# Altium PCB UmTRXv21.PcbDoc (part 16 of 19)
Units mm, origin at the board's own origin, x right, y up, seen from the top; angles counter-clockwise.
Board outline 159.5 x 99.5 mm, 6 copper layers (Top Layer, GND, MidLayer1, Mid-Layer 2, InternalPlane2, Bottom Layer), stack 1.526 mm thick; 716 components, 578 nets, 2850 pads, 1402 vias.
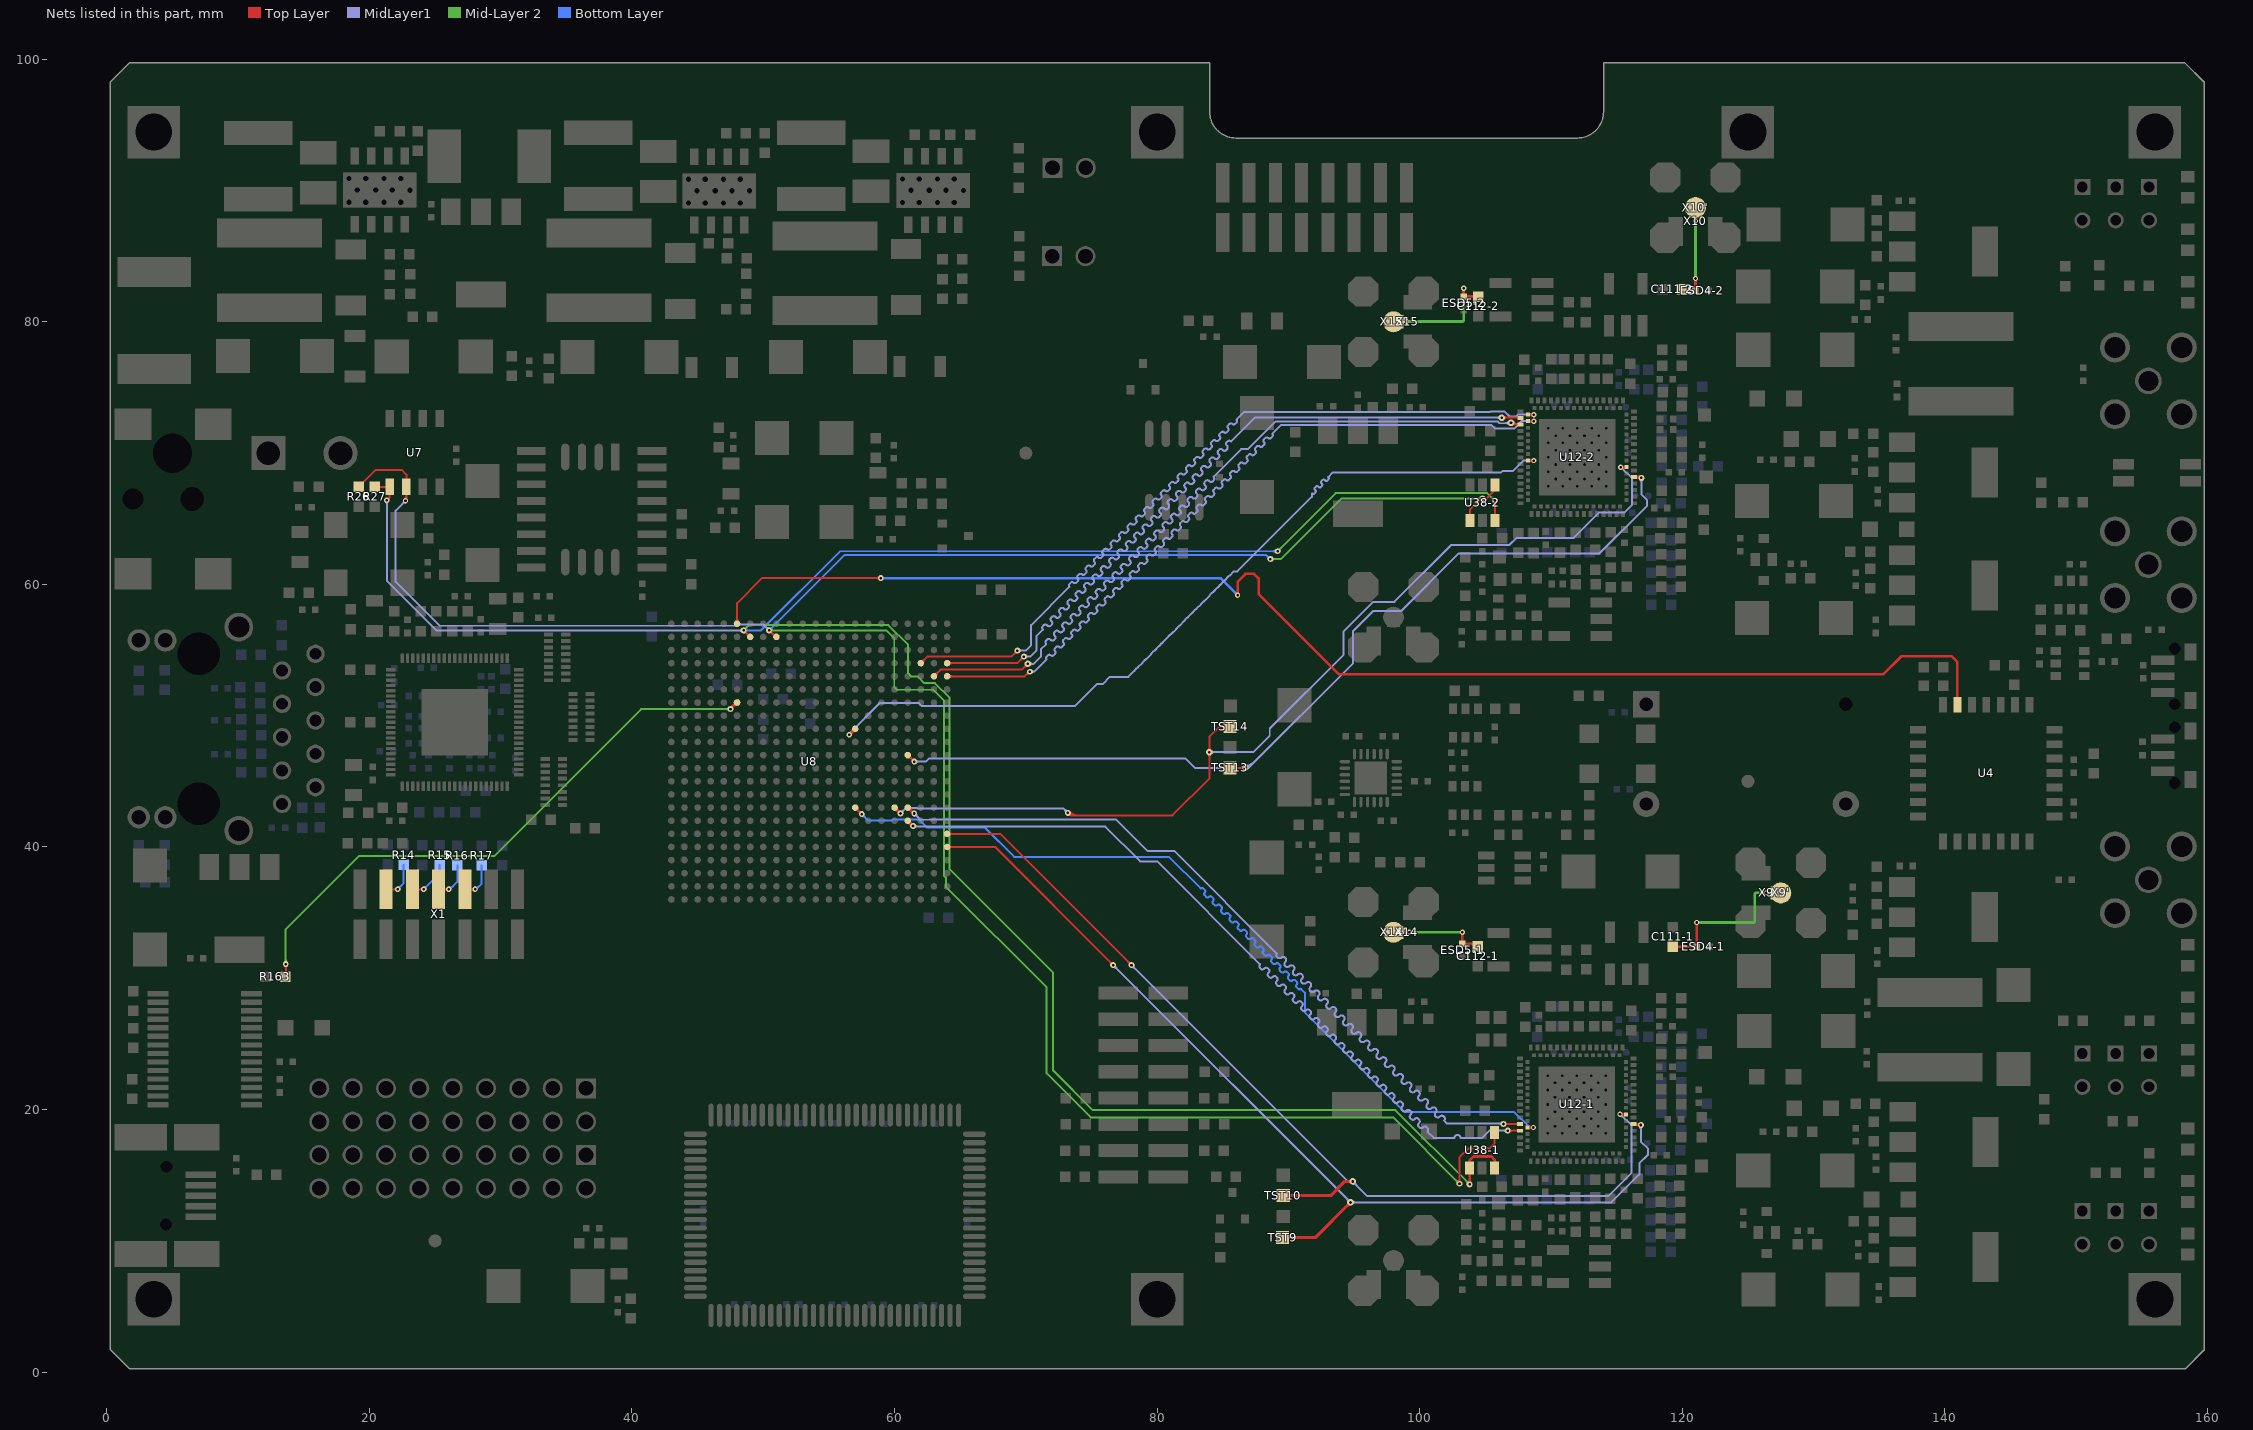
[diagram p20: the nets of this part, all layers, seen from the top]

## Via types
v1: diameter 0.45, hole 0.2, Top Layer to Bottom Layer, tented both sides, 440 vias
v2: diameter 0.5, hole 0.2, Top Layer to Bottom Layer, tented both sides, 423 vias
v3: diameter 0.7, hole 0.3, Top Layer to Bottom Layer, tented both sides, 257 vias
v4: diameter 0.4, hole 0.2, Top Layer to Bottom Layer, tented both sides, 197 vias
v5: diameter 0.8, hole 0.3, Top Layer to Bottom Layer, tented both sides, 63 vias
v6: diameter 0.6, hole 0.25, Top Layer to Bottom Layer, tented both sides, 16 vias
v7: diameter 0.6, hole 0.3, Top Layer to Bottom Layer, tented both sides, 4 vias
v8: diameter 1, hole 0.5, Top Layer to Bottom Layer, tented both sides, 2 vias

## Nets (pads, with @x,y where several pads share a name; then routed paths per layer and width w, separated by ;. In a path a pad name is that pad's centre, name@x,y a point inside that pad or via, vN(x,y) a via of type N, cw(c..) or ccw(c..) an arc to the next point about the centre after c; other vN are vias at no path point) (continued)
RX2D8: U8.V2 U12-2.5 | length 66.7
  Top Layer w0.15: U8.V2@63,53 63.5,53.5 69.7,53.5 v2(70.15,53.95) ; U8.V2@63,53.175 ccw(c63,53.597) 63.299,53.299 ccw(c63.597,53) U8.V2@63.175,53 ; v2@69.975,53.95 cw(c69.553,53.95) 69.851,53.651 cw(c70.15,53.353) v2@70.15,53.775 ; v2(106.95,72.3) 106.95,72.25 107.02,72.18 U12-2.5@107.671,72.18 ; v2@106.968,72.318 ccw(c107.3,72.65) 107.3,72.18 ; v2@107.074,72.424 ccw(c107.662,73.012) U12-2.5@107.662,72.18
  MidLayer1 w0.15: v2(70.15,53.95) 70.6,53.95 71.15,54.5 71.15,55.05 71.545,55.445 ccw(c71.531,55.459) 71.545,55.473 cw(c71.672,55.601) 71.545,55.728 71.609,55.791 cw(c71.736,55.664) 71.863,55.791 71.877,55.777 71.891,55.763 ccw(c72.019,55.89) 72.146,55.763 72.21,55.827 ccw(c72.082,55.954) 72.21,56.081 72.195,56.095 72.181,56.11 cw(c72.309,56.237) 72.181,56.364 72.245,56.428 cw(c72.372,56.301) 72.5,56.428 72.514,56.414 72.528,56.4 ccw(c72.655,56.527) 72.782,56.4 72.846,56.463 ccw(c72.719,56.59) 72.846,56.718 72.832,56.732 72.818,56.746 cw(c72.945,56.873) 72.818,57.001 72.881,57.064 cw(c73.009,56.937) 73.136,57.064 73.15,57.05 73.164,57.036 ccw(c73.292,57.163) 73.419,57.036 73.482,57.1 ccw(c73.355,57.227) 73.482,57.354 73.468,57.368 73.454,57.382 cw(c73.581,57.51) 73.454,57.637 73.518,57.701 cw(c73.645,57.573) 73.772,57.701 73.786,57.686 73.801,57.672 ccw(c73.928,57.8) 74.055,57.672 74.119,57.736 ccw(c73.992,57.863) 74.119,57.991 74.105,58.005 74.091,58.019 cw(c74.218,58.146) 74.091,58.273 74.154,58.337 cw(c74.281,58.21) 74.409,58.337 74.423,58.323 74.437,58.309 ccw(c74.564,58.436) 74.692,58.309 74.755,58.372 ccw(c74.628,58.5) 74.755,58.627 74.741,58.641 74.727,58.655 cw(c74.854,58.782) 74.727,58.91 74.791,58.973 cw(c74.918,58.846) 75.045,58.973 75.059,58.959 75.073,58.945 ccw(c75.201,59.072) 75.328,58.945 75.392,59.009 ccw(c75.264,59.136) 75.392,59.263 75.377,59.277 75.363,59.292 cw(c75.491,59.419) 75.363,59.546 75.427,59.61 cw(c75.554,59.483) 75.682,59.61 75.696,59.596 75.71,59.582 ccw(c75.837,59.709) 75.964,59.582 76.028,59.645 ccw(c75.901,59.772) 76.028,59.9 76.014,59.914 76,59.928 cw(c76.127,60.055) 76,60.183 76.063,60.246 cw(c76.191,60.119) 76.318,60.246 76.332,60.232 76.346,60.218 ccw(c76.473,60.345) 76.601,60.218 76.664,60.282 ccw(c76.537,60.409) 76.664,60.536 76.65,60.55 76.636,60.564 cw(c76.763,60.692) 76.636,60.819 76.7,60.883 cw(c76.827,60.755) 76.954,60.883 76.968,60.868 76.983,60.854 ccw(c77.11,60.982) 77.237,60.854 77.301,60.918 ccw(c77.174,61.045) 77.301,61.173 77.287,61.187 77.273,61.201 cw(c77.4,61.328) 77.273,61.455 77.336,61.519 cw(c77.463,61.392) 77.591,61.519 77.605,61.505 77.619,61.491 ccw(c77.746,61.618) 77.874,61.491 77.937,61.554 ccw(c77.81,61.682) 77.937,61.809 77.923,61.823 77.909,61.837 cw(c78.036,61.964) 77.909,62.092 77.973,62.155 cw(c78.1,62.028) 78.227,62.155 78.241,62.141 78.255,62.127 ccw(c78.383,62.254) 78.51,62.127 78.574,62.191 ccw(c78.446,62.318) 78.574,62.445 78.559,62.459 78.545,62.474 cw(c78.673,62.601) 78.545,62.728 78.609,62.792 cw(c78.736,62.665) 78.863,62.792 78.878,62.778 78.892,62.763 ccw(c79.019,62.891) 79.146,62.763 79.21,62.827 ccw(c79.083,62.954) 79.21,63.082 79.196,63.096 79.182,63.11 cw(c79.309,63.237) 79.182,63.365 79.245,63.428 cw(c79.373,63.301) 79.5,63.428 79.514,63.414 79.528,63.4 ccw(c79.655,63.527) 79.783,63.4 79.846,63.464 ccw(c79.719,63.591) 79.846,63.718 79.832,63.732 79.818,63.746 cw(c79.945,63.874) 79.818,64.001 79.882,64.065 cw(c80.009,63.937) 80.136,64.065 80.15,64.05 80.165,64.036 ccw(c80.292,64.164) 80.419,64.036 80.483,64.1 ccw(c80.355,64.227) 80.483,64.354 80.454,64.383 cw(c80.582,64.51) 80.454,64.637 80.518,64.701 cw(c80.645,64.574) 80.773,64.701 80.787,64.687 80.801,64.673 ccw(c80.928,64.8) 81.056,64.673 81.119,64.736 ccw(c80.992,64.864) 81.119,64.991 81.105,65.005 81.091,65.019 cw(c81.218,65.146) 81.091,65.274 81.155,65.337 cw(c81.282,65.21) 81.409,65.337 81.423,65.323 81.437,65.309 ccw(c81.565,65.436) 81.692,65.309 81.756,65.373 ccw(c81.628,65.5) 81.756,65.627 81.741,65.641 81.727,65.656 cw(c81.855,65.783) 81.727,65.91 81.791,65.974 cw(c81.918,65.846) 82.045,65.974 82.06,65.96 82.074,65.945 ccw(c82.201,66.073) 82.328,65.945 82.392,66.009 ccw(c82.265,66.136) 82.392,66.264 82.378,66.278 82.364,66.292 cw(c82.491,66.419) 82.364,66.547 82.427,66.61 cw(c82.555,66.483) 82.682,66.61 82.71,66.582 ccw(c82.837,66.709) 82.965,66.582 83.028,66.646 ccw(c82.901,66.773) 83.028,66.9 83.014,66.914 83,66.928 cw(c83.127,67.056) 83,67.183 83.064,67.247 cw(c83.191,67.119) 83.318,67.247 83.332,67.232 83.347,67.218 ccw(c83.474,67.346) 83.601,67.218 83.665,67.282 ccw(c83.537,67.409) 83.665,67.536 83.651,67.551 83.636,67.565 cw(c83.764,67.692) 83.636,67.819 83.7,67.883 cw(c83.827,67.756) 83.955,67.883 83.969,67.869 83.983,67.855 ccw(c84.11,67.982) 84.238,67.855 84.301,67.918 ccw(c84.174,68.046) 84.301,68.173 cw(c84.315,68.187) 84.301,68.201 86.4,70.3 86.9,70.3 89,72.4 105.949,72.4 106.074,72.275 106.925,72.275 v2(106.95,72.3) ; v2@70.274,53.826 cw(c70.572,53.528) 70.572,53.95 cw(c70.572,54.372) v2@70.274,54.074 ; 106.467,72.275 ccw(c106.467,72.783) v2@106.826,72.424 ; 106.588,72.275 cw(c106.588,71.938) v2@106.826,72.176
RX2D9: U8.V1 U12-2.4 | length 65.4
  Top Layer w0.15: U8.V1@64,53 69.9,53 70.3,53.4 v1(70.3,53.35) ; U8.V1@64.124,52.876 cw(c64.422,52.578) 64.422,53 cw(c64.422,53.422) U8.V1@64.124,53.124 ; 69.958,53.058 cw(c70.3,52.717) v1@70.3,53.2 ; 70.079,53.179 ccw(c69.909,53.35) v1@70.15,53.35
  Top Layer w0.2: U12-2.4@108.246,72.43 v4@108.671,72.43 ; v4@108.625,72.359 ccw(c108.455,72.188) 108.455,72.43 ccw(c108.455,72.671) v4@108.625,72.501
  MidLayer1 w0.15: v1(70.3,53.35) 70.65,53.35 ; v1@70.409,53.247 cw(c70.65,53.017) 70.65,53.35 ; v1@70.409,53.453 ccw(c70.65,53.683) 70.65,53.35 ; v4@108.608,72.341 ccw(c108.394,72.128) 108.394,72.43 ccw(c108.394,72.732) v4@108.608,72.518 ; v4(108.696,72.43) 107.752,72.43 107.185,71.863 105.751,71.863 105.464,72.15 89.45,72.15 88.767,71.467 cw(c88.661,71.361) 88.767,71.255 88.661,71.149 cw(c88.555,71.255) 88.449,71.149 ccw(c88.342,71.042) 88.236,71.149 88.13,71.042 ccw(c88.236,70.936) 88.13,70.83 cw(c88.024,70.724) 88.13,70.618 88.024,70.512 cw(c87.918,70.618) 87.812,70.512 ccw(c87.706,70.406) 87.6,70.512 87.494,70.406 ccw(c87.6,70.3) 87.494,70.194 cw(c87.388,70.088) 87.494,69.982 87.388,69.876 cw(c87.282,69.982) 87.176,69.876 ccw(c87.07,69.77) 86.964,69.876 86.858,69.77 ccw(c86.964,69.664) 86.858,69.558 cw(c86.752,69.452) 86.858,69.345 86.752,69.239 cw(c86.645,69.345) 86.539,69.239 ccw(c86.433,69.133) 86.327,69.239 86.221,69.133 ccw(c86.327,69.027) 86.221,68.921 cw(c86.115,68.815) 86.221,68.709 86.115,68.603 cw(c86.009,68.709) 85.903,68.603 ccw(c85.797,68.497) 85.691,68.603 85.585,68.497 ccw(c85.691,68.391) 85.585,68.285 cw(c85.479,68.179) 85.585,68.073 85.479,67.967 cw(c85.373,68.073) 85.267,67.967 ccw(c85.161,67.861) 85.054,67.967 84.948,67.861 ccw(c85.054,67.754) 84.948,67.648 cw(c84.842,67.542) 84.948,67.436 84.842,67.33 cw(c84.736,67.436) 84.63,67.33 ccw(c84.524,67.224) 84.418,67.33 84.312,67.224 ccw(c84.418,67.118) 84.312,67.012 cw(c84.206,66.906) 84.312,66.8 84.206,66.694 cw(c84.1,66.8) 83.994,66.694 ccw(c83.888,66.588) 83.782,66.694 83.676,66.588 ccw(c83.782,66.482) 83.676,66.376 cw(c83.57,66.27) 83.676,66.163 83.57,66.057 cw(c83.463,66.163) 83.357,66.057 ccw(c83.251,65.951) 83.145,66.057 83.039,65.951 ccw(c83.145,65.845) 83.039,65.739 cw(c82.933,65.633) 83.039,65.527 82.933,65.421 cw(c82.827,65.527) 82.721,65.421 ccw(c82.615,65.315) 82.509,65.421 82.403,65.315 ccw(c82.509,65.209) 82.403,65.103 cw(c82.297,64.997) 82.403,64.891 82.297,64.785 cw(c82.191,64.891) 82.085,64.785 ccw(c81.979,64.679) 81.872,64.785 81.766,64.679 ccw(c81.872,64.572) 81.766,64.466 cw(c81.66,64.36) 81.766,64.254 81.66,64.148 cw(c81.554,64.254) 81.448,64.148 ccw(c81.342,64.042) 81.236,64.148 81.13,64.042 ccw(c81.236,63.936) 81.13,63.83 cw(c81.024,63.724) 81.13,63.618 81.024,63.512 cw(c80.918,63.618) 80.812,63.512 ccw(c80.706,63.406) 80.6,63.512 80.494,63.406 ccw(c80.6,63.3) 80.494,63.194 cw(c80.388,63.088) 80.494,62.981 80.388,62.875 cw(c80.281,62.981) 80.175,62.875 ccw(c80.069,62.769) 79.963,62.875 79.857,62.769 ccw(c79.963,62.663) 79.857,62.557 cw(c79.751,62.451) 79.857,62.345 79.751,62.239 cw(c79.645,62.345) 79.539,62.239 ccw(c79.433,62.133) 79.327,62.239 79.221,62.133 ccw(c79.327,62.027) 79.221,61.921 cw(c79.115,61.815) 79.221,61.709 79.115,61.603 cw(c79.009,61.709) 78.903,61.603 ccw(c78.797,61.497) 78.691,61.603 78.584,61.497 ccw(c78.691,61.391) 78.584,61.284 cw(c78.478,61.178) 78.584,61.072 78.478,60.966 cw(c78.372,61.072) 78.266,60.966 ccw(c78.16,60.86) 78.054,60.966 77.948,60.86 ccw(c78.054,60.754) 77.948,60.648 cw(c77.842,60.542) 77.948,60.436 77.842,60.33 cw(c77.736,60.436) 77.63,60.33 ccw(c77.524,60.224) 77.418,60.33 77.312,60.224 ccw(c77.418,60.118) 77.312,60.012 cw(c77.206,59.906) 77.312,59.8 77.206,59.693 cw(c77.1,59.8) 76.993,59.693 ccw(c76.887,59.587) 76.781,59.693 76.675,59.587 ccw(c76.781,59.481) 76.675,59.375 cw(c76.569,59.269) 76.675,59.163 76.569,59.057 cw(c76.463,59.163) 76.357,59.057 ccw(c76.251,58.951) 76.145,59.057 76.039,58.951 ccw(c76.145,58.845) 76.039,58.739 cw(c75.933,58.633) 76.039,58.527 75.933,58.421 cw(c75.827,58.527) 75.721,58.421 ccw(c75.615,58.315) 75.509,58.421 75.402,58.315 ccw(c75.509,58.209) 75.402,58.102 cw(c75.296,57.996) 75.402,57.89 75.296,57.784 cw(c75.19,57.89) 75.084,57.784 ccw(c74.978,57.678) 74.872,57.784 74.766,57.678 ccw(c74.872,57.572) 74.766,57.466 cw(c74.66,57.36) 74.766,57.254 74.66,57.148 cw(c74.554,57.254) 74.448,57.148 ccw(c74.342,57.042) 74.236,57.148 74.13,57.042 ccw(c74.236,56.936) 74.13,56.83 cw(c74.024,56.724) 74.13,56.618 74.024,56.511 cw(c73.918,56.618) 73.811,56.511 ccw(c73.705,56.405) 73.599,56.511 73.493,56.405 ccw(c73.599,56.299) 73.493,56.193 cw(c73.387,56.087) 73.493,55.981 73.387,55.875 cw(c73.281,55.981) 73.175,55.875 ccw(c73.069,55.769) 72.963,55.875 72.857,55.769 ccw(c72.963,55.663) 72.857,55.557 cw(c72.751,55.451) 72.857,55.345 72.751,55.239 cw(c72.645,55.345) 72.539,55.239 ccw(c72.433,55.133) 72.327,55.239 72.22,55.133 ccw(c72.327,55.027) 72.22,54.92 cw(c72.114,54.814) 72.22,54.708 72.114,54.602 cw(c72.008,54.708) 71.902,54.602 ccw(c71.796,54.496) 71.69,54.602 71.584,54.496 ccw(c71.69,54.39) 71.584,54.284 70.65,53.35
RX2D10: U8.W1 U12-2.3 | length 66.2
  Top Layer w0.15: U8.W1@64,54 69.35,54 v1(69.85,54.5) ; U8.W1@64.124,53.876 cw(c64.422,53.578) 64.422,54 cw(c64.422,54.422) U8.W1@64.124,54.124 ; v1@69.7,54.5 cw(c69.338,54.5) 69.594,54.244 cw(c69.85,53.988) v1@69.85,54.35 ; v2(106.25,72.7) 106.749,72.7 106.774,72.725 107.626,72.725 U12-2.3@107.671,72.68 ; v2@106.374,72.576 cw(c106.672,72.278) 106.672,72.7 cw(c106.672,73.122) v2@106.374,72.824
  MidLayer1 w0.15: v1(69.85,54.5) 70.35,54.5 70.8,54.95 70.8,56.05 71.295,56.545 ccw(c71.281,56.559) 71.295,56.573 cw(c71.422,56.701) 71.295,56.828 71.359,56.891 cw(c71.486,56.764) 71.613,56.891 71.627,56.877 71.641,56.863 ccw(c71.769,56.99) 71.896,56.863 71.96,56.927 ccw(c71.832,57.054) 71.96,57.181 71.945,57.195 71.931,57.21 cw(c72.059,57.337) 71.931,57.464 71.995,57.528 cw(c72.122,57.401) 72.25,57.528 72.264,57.514 72.278,57.5 ccw(c72.405,57.627) 72.532,57.5 72.596,57.563 ccw(c72.469,57.69) 72.596,57.818 72.582,57.832 72.568,57.846 cw(c72.695,57.973) 72.568,58.101 72.631,58.164 cw(c72.759,58.037) 72.886,58.164 72.9,58.15 72.914,58.136 ccw(c73.042,58.263) 73.169,58.136 73.232,58.2 ccw(c73.105,58.327) 73.232,58.454 73.218,58.468 73.204,58.482 cw(c73.331,58.61) 73.204,58.737 73.268,58.801 cw(c73.395,58.673) 73.522,58.801 73.536,58.786 73.551,58.772 ccw(c73.678,58.9) 73.805,58.772 73.869,58.836 ccw(c73.742,58.963) 73.869,59.091 73.855,59.105 73.841,59.119 cw(c73.968,59.246) 73.841,59.373 73.904,59.437 cw(c74.031,59.31) 74.159,59.437 74.173,59.423 74.187,59.409 ccw(c74.314,59.536) 74.442,59.409 74.505,59.472 ccw(c74.378,59.6) 74.505,59.727 74.491,59.741 74.477,59.755 cw(c74.604,59.882) 74.477,60.01 74.541,60.073 cw(c74.668,59.946) 74.795,60.073 74.809,60.059 74.823,60.045 ccw(c74.951,60.172) 75.078,60.045 75.142,60.109 ccw(c75.014,60.236) 75.142,60.363 75.127,60.377 75.113,60.392 cw(c75.241,60.519) 75.113,60.646 75.177,60.71 cw(c75.304,60.583) 75.432,60.71 75.446,60.696 75.46,60.682 ccw(c75.587,60.809) 75.714,60.682 75.778,60.745 ccw(c75.651,60.872) 75.778,61 75.764,61.014 75.75,61.028 cw(c75.877,61.155) 75.75,61.283 75.813,61.346 cw(c75.941,61.219) 76.068,61.346 76.082,61.332 76.096,61.318 ccw(c76.223,61.445) 76.351,61.318 76.414,61.382 ccw(c76.287,61.509) 76.414,61.636 76.4,61.65 76.386,61.664 cw(c76.513,61.792) 76.386,61.919 76.45,61.983 cw(c76.577,61.855) 76.704,61.983 76.718,61.968 76.733,61.954 ccw(c76.86,62.082) 76.987,61.954 77.051,62.018 ccw(c76.924,62.145) 77.051,62.273 77.037,62.287 77.023,62.301 cw(c77.15,62.428) 77.023,62.555 77.086,62.619 cw(c77.213,62.492) 77.341,62.619 77.355,62.605 77.369,62.591 ccw(c77.496,62.718) 77.624,62.591 77.687,62.654 ccw(c77.56,62.782) 77.687,62.909 77.673,62.923 77.659,62.937 cw(c77.786,63.064) 77.659,63.192 ; v1@69.956,54.394 cw(c70.212,54.138) 70.212,54.5 cw(c70.212,54.862) v1@69.956,54.606 ; 77.659,63.192 77.723,63.255 cw(c77.85,63.128) 77.977,63.255 77.991,63.241 78.005,63.227 ccw(c78.133,63.354) 78.26,63.227 78.324,63.291 ccw(c78.196,63.418) 78.324,63.545 78.309,63.559 78.295,63.574 cw(c78.423,63.701) 78.295,63.828 78.359,63.892 cw(c78.486,63.765) 78.613,63.892 78.628,63.878 78.642,63.863 ccw(c78.769,63.991) 78.896,63.863 78.96,63.927 ccw(c78.833,64.054) 78.96,64.182 78.946,64.196 78.932,64.21 cw(c79.059,64.337) 78.932,64.465 78.995,64.528 cw(c79.123,64.401) 79.25,64.528 79.264,64.514 79.278,64.5 ccw(c79.405,64.627) 79.533,64.5 79.596,64.564 ccw(c79.469,64.691) 79.596,64.818 79.582,64.832 79.568,64.846 cw(c79.695,64.974) 79.568,65.101 79.632,65.165 cw(c79.759,65.037) 79.886,65.165 79.9,65.15 79.915,65.136 ccw(c80.042,65.264) 80.169,65.136 80.233,65.2 ccw(c80.105,65.327) 80.233,65.454 80.204,65.483 cw(c80.332,65.61) 80.204,65.737 80.268,65.801 cw(c80.395,65.674) 80.523,65.801 80.537,65.787 80.551,65.773 ccw(c80.678,65.9) 80.806,65.773 80.869,65.836 ccw(c80.742,65.964) 80.869,66.091 80.855,66.105 80.841,66.119 cw(c80.968,66.246) 80.841,66.374 80.905,66.437 cw(c81.032,66.31) 81.159,66.437 81.173,66.423 81.187,66.409 ccw(c81.315,66.536) 81.442,66.409 81.506,66.473 ccw(c81.378,66.6) 81.506,66.727 81.491,66.741 81.477,66.756 cw(c81.605,66.883) 81.477,67.01 81.541,67.074 cw(c81.668,66.946) 81.795,67.074 81.81,67.06 81.824,67.045 ccw(c81.951,67.173) 82.078,67.045 82.142,67.109 ccw(c82.015,67.236) 82.142,67.364 82.128,67.378 82.114,67.392 cw(c82.241,67.519) 82.114,67.647 82.177,67.71 cw(c82.305,67.583) 82.432,67.71 82.46,67.682 ccw(c82.587,67.809) 82.715,67.682 82.778,67.746 ccw(c82.651,67.873) 82.778,68 82.764,68.014 82.75,68.028 cw(c82.877,68.156) 82.75,68.283 82.814,68.347 cw(c82.941,68.219) 83.068,68.347 83.082,68.332 83.097,68.318 ccw(c83.224,68.446) 83.351,68.318 83.415,68.382 ccw(c83.287,68.509) 83.415,68.636 83.401,68.651 83.386,68.665 cw(c83.514,68.792) 83.386,68.919 83.45,68.983 cw(c83.577,68.856) 83.705,68.983 83.719,68.969 83.733,68.955 ccw(c83.86,69.082) 83.987,68.955 84.051,69.018 ccw(c83.924,69.146) 84.051,69.273 84.037,69.287 84.023,69.301 cw(c84.15,69.428) 84.023,69.556 84.086,69.619 cw(c84.214,69.492) 84.341,69.619 84.355,69.605 84.369,69.591 ccw(c84.497,69.718) 84.624,69.591 84.688,69.655 ccw(c84.56,69.782) 84.688,69.909 84.659,69.938 cw(c84.787,70.065) 84.659,70.192 84.723,70.256 cw(c84.85,70.128) 84.977,70.256 84.992,70.242 85.006,70.227 ccw(c85.133,70.355) 85.26,70.227 85.324,70.291 ccw(c85.197,70.418) 85.324,70.546 85.31,70.56 85.296,70.574 cw(c85.423,70.701) 85.296,70.828 85.359,70.892 cw(c85.487,70.765) 85.614,70.892 ccw(c85.628,70.906) 85.642,70.892 87.45,72.7 v2(106.25,72.7) ; v2@106.126,72.576 ccw(c105.828,72.278) 105.828,72.7 ccw(c105.828,73.122) v2@106.126,72.824
RX2D11: U8.W3 U12-2.2 | length 65.7
  Top Layer w0.15: U8.W3@62,54 62.5,54.5 68.9,54.5 v1(69.35,54.95) ; U8.W3@62,54.175 ccw(c62,54.597) 62.299,54.299 ccw(c62.597,54) U8.W3@62.175,54 ; v1@69.2,54.95 cw(c68.838,54.95) 69.094,54.694 cw(c69.35,54.438) v1@69.35,54.8
  Top Layer w0.2: U12-2.2@108.246,72.93 v4@108.671,72.93 ; v4@108.625,72.859 ccw(c108.455,72.688) 108.455,72.93 ccw(c108.455,73.171) v4@108.625,73.001
  MidLayer1 w0.15: v1(69.35,54.95) 70,54.95 70.4,55.35 70.4,56.9 73.313,59.813 cw(c73.419,59.919) 73.313,60.025 73.419,60.131 cw(c73.525,60.025) 73.631,60.131 ccw(c73.737,60.237) 73.843,60.131 73.949,60.237 ccw(c73.843,60.343) 73.949,60.449 cw(c74.055,60.555) 73.949,60.662 74.055,60.768 cw(c74.162,60.662) 74.268,60.768 ccw(c74.374,60.874) 74.48,60.768 74.586,60.874 ccw(c74.48,60.98) 74.586,61.086 cw(c74.692,61.192) 74.586,61.298 74.692,61.404 cw(c74.798,61.298) 74.904,61.404 ccw(c75.01,61.51) 75.116,61.404 75.222,61.51 ccw(c75.116,61.616) 75.222,61.722 cw(c75.328,61.828) 75.222,61.934 75.328,62.04 cw(c75.434,61.934) 75.54,62.04 ccw(c75.646,62.146) 75.753,62.04 75.859,62.146 ccw(c75.753,62.253) 75.859,62.359 cw(c75.965,62.465) 75.859,62.571 75.965,62.677 cw(c76.071,62.571) 76.177,62.677 ccw(c76.283,62.783) 76.389,62.677 76.495,62.783 ccw(c76.389,62.889) 76.495,62.995 cw(c76.601,63.101) 76.495,63.207 76.601,63.313 cw(c76.707,63.207) 76.813,63.313 ccw(c76.919,63.419) 77.025,63.313 77.131,63.419 ccw(c77.025,63.525) 77.131,63.631 cw(c77.237,63.737) 77.131,63.844 77.237,63.95 cw(c77.344,63.844) 77.45,63.95 ccw(c77.556,64.056) 77.662,63.95 77.768,64.056 ccw(c77.662,64.162) 77.768,64.268 cw(c77.874,64.374) 77.768,64.48 77.874,64.586 cw(c77.98,64.48) 78.086,64.586 ccw(c78.192,64.692) 78.298,64.586 78.404,64.692 ccw(c78.298,64.798) 78.404,64.904 cw(c78.51,65.01) 78.404,65.116 78.51,65.222 cw(c78.616,65.116) 78.722,65.222 ccw(c78.828,65.328) 78.934,65.222 79.041,65.328 ccw(c78.934,65.434) 79.041,65.541 cw(c79.147,65.647) 79.041,65.753 79.147,65.859 cw(c79.253,65.753) 79.359,65.859 ccw(c79.465,65.965) 79.571,65.859 79.677,65.965 ccw(c79.571,66.071) 79.677,66.177 cw(c79.783,66.283) 79.677,66.389 79.783,66.495 cw(c79.889,66.389) 79.995,66.495 ccw(c80.101,66.601) 80.207,66.495 80.313,66.601 ccw(c80.207,66.707) 80.313,66.813 cw(c80.419,66.919) 80.313,67.025 80.419,67.132 cw(c80.525,67.025) 80.632,67.132 ccw(c80.738,67.238) 80.844,67.132 80.95,67.238 ccw(c80.844,67.344) 80.95,67.45 cw(c81.056,67.556) 80.95,67.662 81.056,67.768 cw(c81.162,67.662) 81.268,67.768 ccw(c81.374,67.874) 81.48,67.768 81.586,67.874 ccw(c81.48,67.98) 81.586,68.086 cw(c81.692,68.192) 81.586,68.298 81.692,68.404 cw(c81.798,68.298) 81.904,68.404 ccw(c82.01,68.51) 82.116,68.404 82.223,68.51 ccw(c82.116,68.616) 82.223,68.723 cw(c82.329,68.829) 82.223,68.935 82.329,69.041 cw(c82.435,68.935) 82.541,69.041 ccw(c82.647,69.147) 82.753,69.041 82.859,69.147 ccw(c82.753,69.253) 82.859,69.359 cw(c82.965,69.465) 82.859,69.571 82.965,69.677 cw(c83.071,69.571) 83.177,69.677 ccw(c83.283,69.783) 83.389,69.677 83.495,69.783 ccw(c83.389,69.889) 83.495,69.995 cw(c83.601,70.101) 83.495,70.207 83.601,70.314 cw(c83.707,70.207) 83.814,70.314 ccw(c83.92,70.42) 84.026,70.314 84.132,70.42 ccw(c84.026,70.526) 84.132,70.632 cw(c84.238,70.738) 84.132,70.844 84.238,70.95 cw(c84.344,70.844) 84.45,70.95 ccw(c84.556,71.056) 84.662,70.95 84.768,71.056 ccw(c84.662,71.162) 84.768,71.268 cw(c84.874,71.374) 84.768,71.48 84.874,71.586 cw(c84.98,71.48) 85.086,71.586 ccw(c85.192,71.692) 85.298,71.586 85.405,71.692 ccw(c85.298,71.798) 85.405,71.905 cw(c85.511,72.011) 85.405,72.117 85.511,72.223 cw(c85.617,72.117) 85.723,72.223 ccw(c85.829,72.329) 85.935,72.223 86.041,72.329 ccw(c85.935,72.435) 86.041,72.541 86.642,73.142 105.35,73.142 105.372,73.163 106.471,73.163 106.838,72.796 107.335,72.796 107.468,72.93 v4(108.696,72.93) ; v1@69.456,54.844 cw(c69.712,54.588) 69.712,54.95 cw(c69.712,55.312) v1@69.456,55.056 ; v4@108.608,72.841 ccw(c108.394,72.628) 108.394,72.93 ccw(c108.394,73.232) v4@108.608,73.018
RX2IQSEL: U8.P8 U12-2.16 | length 67.6